# Altium PCB master.PcbDoc (part 4 of 5) (continued)
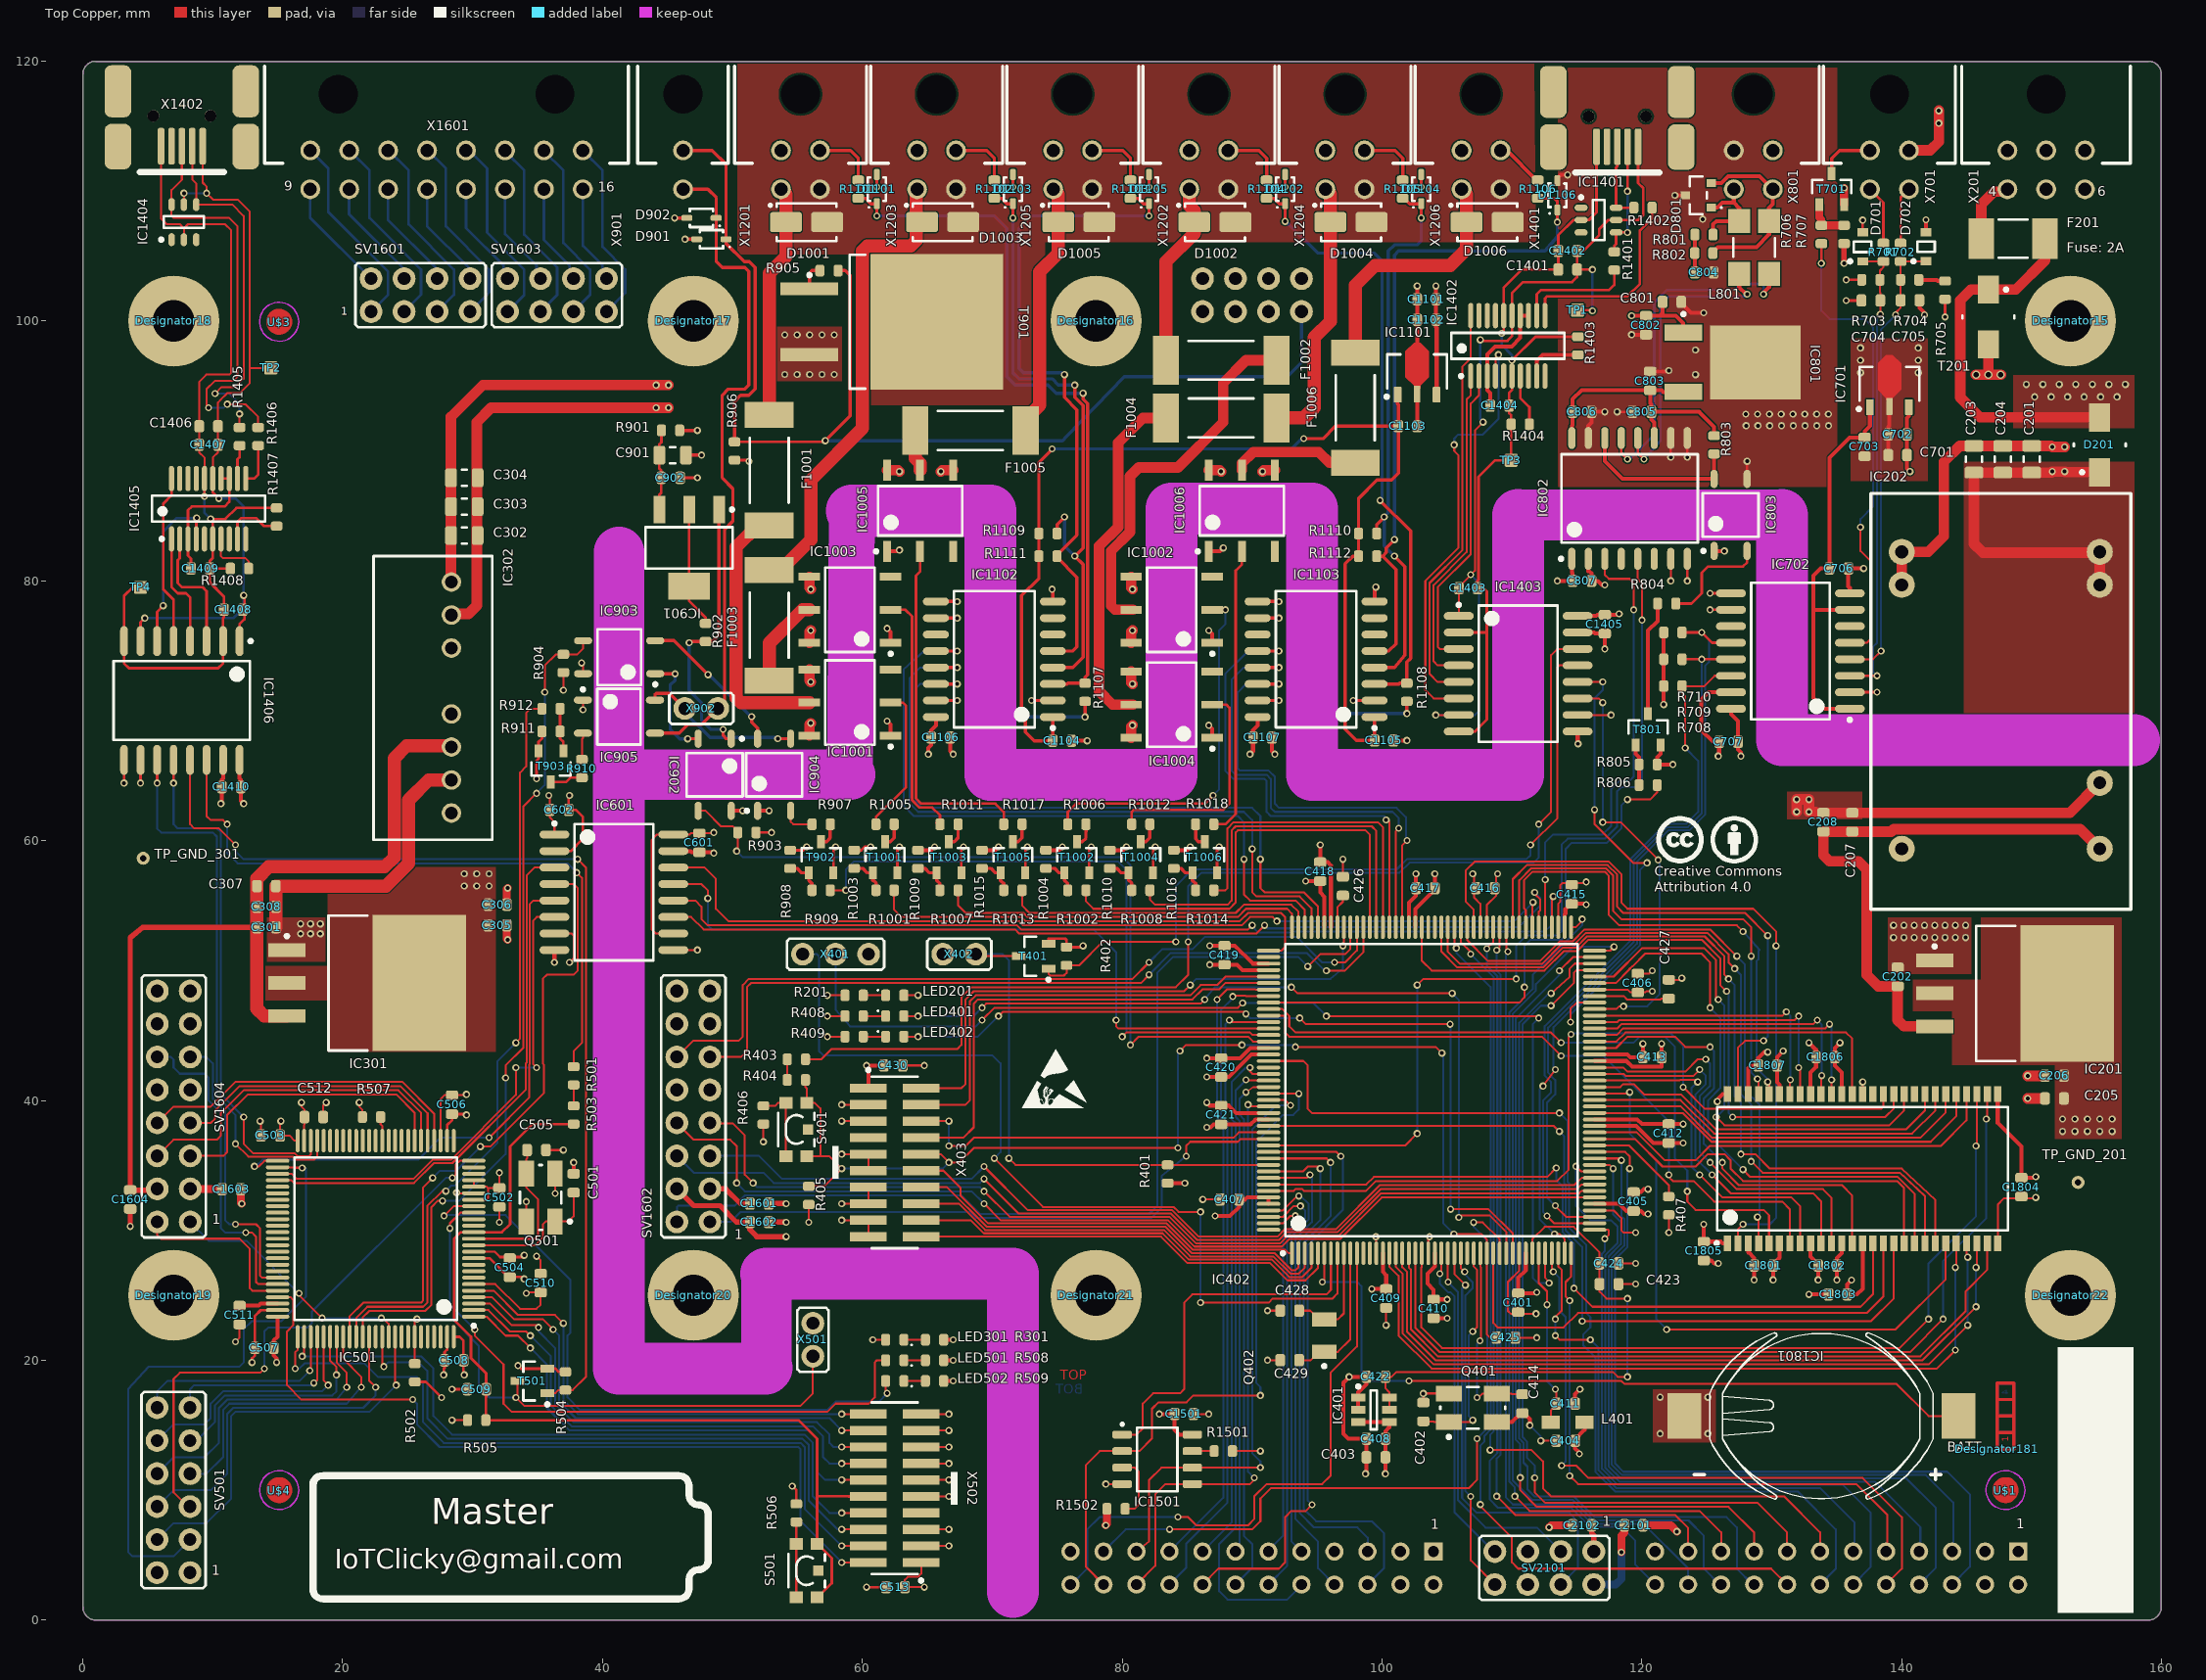
[diagram p0: Top Copper view]
## Nets (pads, with @x,y where several pads share a name; then routed paths per layer and width w, separated by ;. In a path a pad name is that pad's centre, name@x,y a point inside that pad or via, vN(x,y) a via of type N, cw(c..) or ccw(c..) an arc to the next point about the centre after c; other vN are vias at no path point) (continued)
MCU_1_SWCLK: IC501.76 X502.4 | length 57.2
  Top Copper w0.152: v1(16.351,19.353) 16.337,19.367 16.337,20.596 16.542,20.802 IC501.76@16.542,21.804 ; v1(58.42,5.7) X502.4@60.465,5.7
  Bot Copper w0.152: v1(16.351,19.353) 16.669,19.353 17.064,19.748 21.671,19.748 22.701,18.718 25.717,18.718 26.194,18.241 26.194,15.225 27.781,13.638 55.245,13.638 55.562,13.32 55.562,8.558 v1(58.42,5.7)
MCU_1_SWDIO: IC501.72 X502.2 | length 62.6
  Top Copper w0.152: IC501.72@14.992,24.854 15.994,24.854 16.192,24.655 16.192,22.686 15.716,22.21 15.716,18.083 16.828,16.971 v1(25.4,16.971) ; v1(58.42,4.43) X502.2@60.465,4.43
  Bot Copper w0.152: v1(25.4,16.971) 25.717,16.654 25.717,15.066 27.464,13.32 55.086,13.32 55.245,13.161 55.245,7.605 v1(58.42,4.43)
MCU_1_SWO: IC501.89 X502.6 | length 49.6
  Top Copper w0.152: v1@23.019,19.67 v1@23.043,19.646 ; IC501.89@23.043,21.604 v1@23.043,19.646 ; v1(23.177,19.511) v1@23.043,19.646 ; v1(58.42,6.97) X502.6@60.465,6.97
  Bot Copper w0.152: v1(23.177,19.511) 23.495,19.829 25.876,19.829 26.511,19.194 26.511,15.543 28.099,13.955 55.404,13.955 55.88,13.479 55.88,9.193 58.102,6.97 v1(58.42,6.97)
MCU_1_TDI: IC501.77 X502.8 | length 54.7
  Top Copper w0.152: v1@17.042,20.408 16.94,20.305 v1(16.891,20.305) 16.891,20.369 17.042,20.52 IC501.77@17.042,21.604 ; v1(58.42,8.24) X502.8@60.465,8.24
  Bot Copper w0.152: v1(16.891,20.305) 26.035,20.305 26.987,19.353 26.987,15.701 28.416,14.273 55.562,14.273 56.197,13.638 56.197,9.51 57.468,8.24 v1(58.42,8.24)
MCU_TO_FPGA_INTERFACE_MCU_0_CS: IC402.24 SV2101.7 | length 24.8
  Top Copper w0.152: v1(104.457,26.655) 104.573,26.77 IC402.24@104.573,28.034
  Bot Copper w0.152: v1(104.457,26.655) 104.457,25.871 105.093,25.236 105.259,25.236 105.6,24.894 105.6,8.267 108.644,5.224 SV2101.7@108.69,5.27
MCU_TO_FPGA_INTERFACE_MCU_0_MISO: IC402.26 SV2101.4 | length 34.2
  Top Copper w0.152: IC402.26@105.573,28.034 105.573,26.634 v1(106.426,25.781)
  Bot Copper w0.152: v1(106.426,25.781) 106.172,25.527 106.172,9.393 107.31,8.255 114.437,8.255 115.094,7.543 115.094,4.054 SV2101.4@113.77,2.73
MCU_TO_FPGA_INTERFACE_MCU_0_MOSI: IC402.27 SV2101.8 | length 27
  Top Copper w0.152: IC402.27@106.073,28.234 106.073,27.104 v1(106.362,26.814) ; v1(106.839,9.51) 106.839,4.581 SV2101.8@108.69,2.73
  Bot Copper w0.152: v1(106.362,26.814) 106.362,26.629 106.98,26.011 106.98,25.551 106.426,24.997 106.426,9.923 v1(106.839,9.51)
MCU_TO_FPGA_INTERFACE_MCU_0_SCK: IC402.25 SV2101.3 | length 28.7
  Top Copper w0.152: IC402.25@105.072,28.034 105.072,26.04 v1(105.093,26.02)
  Bot Copper w0.152: v1(105.093,26.02) 105.855,25.258 105.855,9.229 107.97,7.114 111.926,7.114 SV2101.3@113.77,5.27
MCU_TO_MCU_INTERFACE_MCU_0_CS: IC402.92 IC601.12 | length 74.5
  Top Copper w0.152: IC601.12@45.406,55.389 IC601.12@45.453,55.389 47.149,55.389 47.625,54.913 47.625,53.96 48.101,53.484 71.914,53.484 72.231,53.166 89.694,53.166 v1(90.011,53.484) ; IC402.92@113.072,53.334 113.072,55.59 v1(113.189,55.706)
  Bot Copper w0.152: v1(90.011,53.484) 90.468,52.912 92.974,52.912 93.069,53.008 112.554,53.008 113.03,53.484 113.03,55.548 v1(113.189,55.706)
MCU_TO_MCU_INTERFACE_MCU_0_MISO: IC402.94 IC601.11 | length 72.5
  Top Copper w0.152: IC601.11@45.406,54.119 IC601.11@45.453,54.119 46.831,54.119 47.784,53.166 71.755,53.166 72.072,52.849 90.329,52.849 v1(90.964,53.484) ; v1(111.76,56.024) 111.76,55.902 112.187,55.475 112.187,54.648 112.072,54.533 IC402.94@112.072,53.334
  Bot Copper w0.152: v1(90.964,53.484) 91.201,53.247 92.949,53.247 93.027,53.325 110.497,53.325 112.187,55.015 112.187,55.596 v1(111.76,56.024)
MCU_TO_MCU_INTERFACE_MCU_0_MOSI: IC402.95 IC601.14 | length 72.3
  Top Copper w0.152: IC601.14@45.406,57.929 IC601.14@45.453,57.929 47.862,57.929 48.736,57.055 48.736,54.754 49.689,53.801 72.072,53.801 72.39,53.484 89.218,53.484 89.852,54.119 91.599,54.119 v1(91.916,53.801) ; IC402.95@111.572,53.334 111.572,55.184 v1(111.633,55.245)
  Bot Copper w0.152: v1(91.916,53.801) 110.189,53.801 v1(111.633,55.245)
MCU_TO_MCU_INTERFACE_MCU_0_SCK: IC402.145 IC601.13 | length 55.2
  Top Copper w0.152: IC601.13@45.406,56.659 IC601.13@45.453,56.659 47.625,56.659 48.101,56.183 v1(48.101,55.548) ; v1(79.534,46.181) 79.534,45.705 79.705,45.534 IC402.145@91.072,45.534
  Bot Copper w0.152: v1(48.101,55.548) 48.101,53.484 48.419,53.166 77.787,53.166 79.534,51.42 v1(79.534,46.181)
MCU_TO_MCU_INTERFACE_MCU_1_CS: IC501.51 IC601.5 | length 42.3
  Top Copper w0.152: v1(13.208,34.925) 13.562,34.925 13.991,35.354 IC501.51@14.992,35.354 ; v1(31.274,37.133) 34.371,40.229 34.371,42.76 34.417,42.806 34.417,55.118 34.688,55.389 IC601.5@36.303,55.389 IC601.5@36.351,55.389
  Bot Copper w0.152: v1(13.208,34.925) 13.335,34.925 13.843,35.433 25.806,35.433 27.505,37.133 v1(31.274,37.133)
MCU_TO_MCU_INTERFACE_MCU_1_MISO: IC501.53 IC601.6 | length 38.3
  Top Copper w0.152: IC501.53@14.792,34.354 16.065,34.354 16.461,33.958 25.449,33.958 26.924,35.433 28.343,35.433 33.337,40.428 v1(33.337,42.53) ; v1(34.925,42.53) 34.671,42.784 34.671,53.848 34.942,54.119 IC601.6@36.303,54.119 IC601.6@36.351,54.119
  Bot Copper w0.152: v1(33.337,42.53) v1(34.925,42.53)
MCU_TO_MCU_INTERFACE_MCU_1_MOSI: IC501.54 IC601.3 | length 41.3
  Top Copper w0.152: IC501.54@14.792,33.854 16.057,33.854 16.271,33.64 25.49,33.64 27.029,35.179 28.448,35.179 34.117,40.848 34.117,42.865 34.163,42.911 34.163,57.326 34.766,57.929 IC601.3@36.303,57.929 IC601.3@36.351,57.929
MCU_TO_MCU_INTERFACE_MCU_1_SCK: IC501.84 IC601.4 | length 49
  Top Copper w0.152: IC501.84@20.543,21.604 20.543,23.385 21.59,24.433 26.035,24.433 26.194,24.591 26.194,33.306 v1(26.924,34.036) ; v1(30.607,36.449) 31.374,36.449 35.479,40.554 35.479,42.76 35.401,42.838 35.401,49.356 35.719,49.674 37.782,49.674 38.1,49.991 38.1,56.341 37.782,56.659 IC601.4@36.351,56.659
  Bot Copper w0.152: v1(26.924,34.036) 27.478,34.59 28.748,34.59 v1(30.607,36.449)
Memory_SUPPLY_CONTROL: IC402.33 JP2201.21 | length 56.5
  Top Copper w0.152: v1(83.661,6.97) 90.011,6.97 90.646,7.605 90.646,9.351 91.44,10.145 106.68,10.145 107.315,10.78 v1(107.315,13.955) ; v1(107.061,30.607) 107.769,30.607 109.072,29.304 IC402.33@109.072,28.034
  Bot Copper w0.152: JP2201.21@78.57,5.27 80.27,6.97 v1(83.661,6.97) ; v1(107.061,30.607) 107.061,30.243 108.108,29.196 108.108,14.748 v1(107.315,13.955)
NetBATT_+: BATT.+ IC402.6 | length 59.4
  Top Copper w0.152: v1(95.409,26.02) 95.573,26.184 IC402.6@95.573,28.034 ; v1(102.076,18.4) 118.437,18.4 118.674,18.163 139.619,18.163 142.081,15.701 BATT.+@144.376,15.701
  Bot Copper w0.152: v1(95.409,26.02) 98.108,26.02 98.425,25.703 98.425,18.718 98.742,18.4 v1(102.076,18.4)
NetC426_1: C426.1 IC402.125 | length 2.6
  Top Copper w0.152: IC402.125@96.572,53.334 96.572,54.875 96.996,55.298 C426.1@96.996,55.775
NetC427_1: C427.1 IC402.81 | length 5.8
  Top Copper w0.152: IC402.81@116.573,48.034 118.599,48.034 118.872,47.761 121.426,47.761 121.502,47.838 C427.1@122.079,47.838 C427.1@122.002,47.761
NetC511_1: C511.1 IC501.73 | length 3
  Top Copper w0.305: C511.1@12.065,24.205 13.542,24.205 13.691,24.354 IC501.73@14.992,24.354
NetC512_1: C512.1 IC501.49 | length 3
  Top Copper w0.152: v1(16.828,39.831) 16.828,39.524 17.055,39.297 C512.1@17.055,38.72 17.055,38.143 17.043,38.131 IC501.49@17.043,36.904
NetC704_1: C704.1 D701.1 IC702.3 R701.1 R703.2 | length 36.1
  Top Copper w0.152: D701.1@137.001,104.598 R701.1@138.608,104.598 138.608,104.146 138.336,103.874 R703.2@138.336,103.173 138.336,102.187 138.361,102.162 C704.1@138.361,101.585 v1(138.361,100.508)
  Top Copper w0.203: IC702.3@135.973,72.693 IC702.3@136.02,72.693 v1(138.112,72.693)
  Bot Copper w0.152: v1(138.112,72.693) 137.795,73.01 137.795,74.915 138.112,75.233 138.112,100.368 v1@138.252,100.508
NetC705_1: C705.1 D702.1 IC702.4 R702.1 R704.2 | length 35.1
  Top Copper w0.152: IC702.4@135.973,73.963 IC702.4@136.02,73.963 137.795,73.963 v1(138.43,74.598) ; v1(139.541,100.474) 139.541,100.636 139.929,101.023 C705.1@139.929,101.6 R704.2@139.929,103.173 R702.1@139.929,104.6 D702.1@141.732,104.6
  Bot Copper w0.152: v1(138.43,74.598) 138.43,99.363 v1(139.541,100.474)
NetC901_1: C901.1 C902.1 IC901.3 R901.1 | length 6.3
  Top Copper w0.203: IC901.3@44.372,85.485 44.372,86.637 44.519,86.783 C902.1@44.519,87.933 44.519,88.509 44.378,88.65 C901.1@44.378,89.679 44.378,90.505 44.544,90.672 R901.1@44.544,91.584
NetD201_2: D201.2 F201.2 T201.1 | length 28.3
  Top Copper w0.813: F201.2@151.04,106.348 151.04,104.671 148.794,102.425 T201.1@146.685,102.425 145.351,102.425 144.526,101.6 144.526,94.107 146.05,92.583 D201.2@155.257,92.583
  other v1: 150.241,94.17 151.511,94.17 152.781,94.17 154.051,94.17 155.321,94.17 156.591,94.17 149.606,95.123 150.876,95.123 152.146,95.123 153.416,95.123 154.686,95.123 155.956,95.123 157.226,95.123
NetD902_1: D902.1 IC905.3 X901.2 X902.1 | length 52.4
  Top Copper w0.152: X901.2@46.2,109.96 X901.2@46.2,110.14
  Top Copper w0.254: IC905.3@44.047,68.277 45.925,68.277 46.609,68.961 47.664,68.961 X902.1@48.88,70.177 49.403,70.7 49.403,83.947 50.038,84.582 50.038,87.107 49.212,87.933 49.212,94.283 49.689,94.759 50.959,94.759 51.276,95.076 51.276,103.808 50.959,104.125 49.212,104.125 48.763,104.575 48.763,109.496 48.119,110.14 X901.2@46.2,110.14
NetD1101_1: D1101.1 IC1102.3 R1101.2 R1107.1 | length 55.8
  Top Copper w0.254: R1101.2@59.69,109.458 60.242,109.458 60.667,109.033 D1101.1@61.119,109.033 v1(61.119,108.094) ; IC1102.3@74.668,72.058 75.769,72.058 75.834,72.123 R1107.1@77.153,72.123 77.153,72.574 77.349,72.771 77.349,93.636 76.994,93.992 v1(76.994,94.441)
  Bot Copper w0.254: v1(61.119,108.094) 70.168,108.094 71.12,107.141 71.12,95.711 71.755,95.076 74.295,95.076 74.93,94.441 v1(76.994,94.441)
NetD1102_1: D1102.1 IC1103.3 R1104.1 R1108.1 | length 47.8
  Top Copper w0.254: R1104.1@91.123,109.458 91.674,109.458 92.099,109.033 D1102.1@92.551,109.033 v1(92.551,107.671) ; IC1103.3@99.433,72.058 101.301,72.058 101.366,72.123 R1108.1@101.917,72.123 101.917,73.743 102.205,74.03 102.205,83.835 v1(99.854,86.186)
  Bot Copper w0.254: v1@92.616,107.671 95.051,105.236 99.377,105.236 100.013,104.601 100.013,86.345 v1(99.854,86.186)
NetD1103_1: D1103.1 IC1102.4 R1102.2 R1109.1 | length 49
  Top Copper w0.254: R1102.2@70.168,109.458 70.719,109.458 71.144,109.033 D1103.1@71.596,109.033 v1(71.596,107.935) ; IC1102.4@74.695,73.328 76.2,73.328 76.994,74.121 76.994,81.265 v1(76.359,81.9) 76.994,82.535 76.994,93.489 76.359,94.124 v1(76.359,95.076) ; R1109.1@74.995,83.646 74.995,84.346 v1(75.565,84.916)
  Bot Copper w0.254: v1(71.596,107.935) 71.596,96.029 72.072,95.553 74.612,95.553 75.089,95.076 v1(76.359,95.076) ; v1(75.565,84.916) 75.565,82.694 v1(76.359,81.9)
NetD1104_1: D1104.1 IC1103.4 R1105.1 R1110.1 | length 43.5
  Top Copper w0.254: IC1103.4@99.46,73.328 100.965,73.328 101.759,74.28 101.759,81.106 v1(100.965,81.9) ; R1110.1@99.601,83.646 99.601,84.346 v1(100.171,84.916) ; R1105.1@101.6,109.458 101.7,109.458 102.125,109.033 D1104.1@103.029,109.033 v1(103.029,107.935)
  Bot Copper w0.254: v1(100.965,81.9) 100.171,82.694 v1(100.171,84.916) 100.489,85.234 100.489,105.395 100.965,105.871 102.711,105.871 103.029,106.189 v1(103.029,107.935)
NetD1105_1: D1105.1 IC1102.5 R1103.2 R1111.1 | length 52
  Top Copper w0.254: IC1102.5@74.695,74.598 76.2,74.598 76.517,74.915 76.517,80.278 74.995,81.8 R1111.1@74.995,81.9 74.995,82 76.517,83.523 76.517,93.171 75.565,94.124 v1(75.565,95.87) ; R1103.2@80.645,109.458 81.197,109.458 81.622,109.033 D1105.1@82.074,109.033 v1(82.074,108.094)
  Bot Copper w0.254: v1(75.565,95.87) 75.406,96.029 72.39,96.029 72.072,96.346 72.072,107.141 73.025,108.094 v1(82.074,108.094)
NetD1106_1: D1106.1 IC1103.5 R1106.1 R1112.1 | length 50.6
  Top Copper w0.254: IC1103.5@99.433,74.598 100.534,74.598 101.092,75.155 101.092,80.861 100.053,81.9 ; R1112.1@99.601,81.9 100.053,81.9 ; v1(100.965,83.17) 100.33,82.535 100.33,82.177 100.053,81.9 ; R1106.1@111.998,109.458 113.254,109.458 113.506,109.205 D1106.1@113.506,108.556 v1(113.506,107.618)
  Bot Copper w0.254: v1(100.965,83.17) 100.965,105.078 101.282,105.395 112.554,105.395 113.506,106.506 v1(113.506,107.618)
NetF201_1: F201.1 X201.4 | length 5
  Top Copper w0.813: F201.1@146.14,106.348 146.14,108.977 147.122,109.96 X201.4@148.13,109.96
NetF1001_1: F1001.1 IC1001.5 | length 20.6
  Top Copper w1.016: F1001.1@52.832,84.269 51.957,84.269 50.292,82.604 50.292,70.993 50.656,70.629 IC1001.5@55.93,70.629
NetF1002_1: F1002.1 IC1002.5 | length 29.1
  Top Copper w0.813: IC1002.5@80.82,77.773 IC1002.5@80.695,77.773 79.453,77.773 79.146,78.08 79.146,82.298 80.607,83.759 80.607,88.053 81.28,88.726 84.296,88.726 87.789,92.219 87.789,95.235 89.535,96.981 F1002.1@91.88,96.981
NetF1003_1: F1003.1 IC1003.5 | length 7
  Top Copper w1.016: F1003.1@52.832,72.331 52.832,75.2 55.405,77.773 IC1003.5@55.93,77.773
NetF1004_1: F1004.1 IC1004.5 | length 27.2
  Top Copper w0.813: IC1004.5@80.82,70.47 IC1004.5@80.695,70.47 79.263,70.47 78.232,71.501 78.232,82.677 79.692,84.138 79.692,90.631 81.597,92.536 F1004.1@83.38,92.536
NetF1005_1: F1005.1 IC1005.5 | length 3.2
  Top Copper w1.016: F1005.1@64.076,91.567 64.076,89.419 64.453,89.043 IC1005.5@64.453,88.518
NetF1006_1: F1006.1 IC1006.5 | length 10.8
  Top Copper w0.813: IC1006.5@89.218,88.518 89.218,89.043 90.091,89.916 95.136,89.916 95.972,89.08 F1006.1@97.949,89.08 97.985,89.044 F1006.1@97.155,89.044
NetIC402_58: IC402.58 R407.2 | length 7.5
  Top Copper w0.152: IC402.58@116.573,36.534 119.026,36.534 122.079,33.481 R407.2@122.079,32.744
NetIC501_37: IC501.37 R507.2 | length 1.9
  Top Copper w0.152: R507.2@22.925,38.72 22.925,38.168 23.042,38.051 IC501.37@23.042,36.904
NetIC702_5: IC702.5 R706.1 | length 36
  Top Copper w0.152: IC702.5@135.973,75.233 IC702.5@136.02,75.233 137.319,75.233 137.636,75.55 137.636,81.503 136.843,82.297 v1(136.843,84.123)
  Top Copper w0.203: v1(133.826,104.443) R706.1@133.826,105.815
  Bot Copper w0.152: v1(133.826,104.443) 133.826,100.791 134.461,100.156 137.16,100.156 137.795,99.521 137.795,85.71 136.843,84.758 v1(136.843,84.123)
NetIC803_2: IC803.2 R804.1 | length 8.6
  Top Copper w0.203: R804.1@122.62,78.249 123.825,78.249 124.619,79.043 124.619,80.63 125.095,81.106 127.794,81.106 128.111,81.424 IC803.2@128.111,82.275
NetIC901_1: IC901.1 IC902.1 R902.1 | length 21.7
  Top Copper w0.254: v1(46.672,75.233) 46.766,75.326 R902.1@47.942,75.326 48.494,75.326 48.972,75.805 IC901.1@48.972,85.435 ; v1(49.29,68.562) 49.29,68.092 49.534,67.848 IC902.1@49.911,67.848
  Bot Copper w0.254: v1(46.672,75.233) 46.672,71.58 47.625,70.627 47.625,69.285 48.348,68.562 v1(49.29,68.562)
NetIC901_2: IC901.2 IC901.4 R902.2 | length 9.3
  Top Copper w0.203: IC901.2@46.672,85.485 IC901.4@46.672,79.585 46.672,78.448 47.942,77.178 R902.2@47.942,76.726
NetIC902_2: IC902.2 IC903.1 | length 8.4
  Top Copper w0.254: IC903.1@44.061,72.853 45.588,72.853 v1(45.598,72.843) ; v1(46.563,67.838) 46.572,67.848 IC902.2@47.371,67.848
  Bot Copper w0.254: v1(45.598,72.843) 45.598,72.367 45.212,71.981 45.212,68.58 45.954,67.838 v1(46.563,67.838)
NetIC903_2: IC903.2 IC904.4 | length 11.7
  Top Copper w0.254: IC903.2@44.061,75.393 45.511,75.393 v1(48.133,72.771) ; v1(51.489,69.548) 51.489,69.103 51.943,68.649 IC904.4@51.943,67.848
  Bot Copper w0.254: v1(48.133,72.771) 48.209,72.771 51.432,69.548 v1(51.489,69.548)
NetIC904_2: IC904.2 R907.2 | length 2.6
  Top Copper w0.152: IC904.2@54.483,62.298 54.483,61.468 54.688,61.263 R907.2@56.133,61.263
NetIC904_3: IC904.3 IC905.4 X902.2 | length 12.6
  Top Copper w0.254: IC905.4@44.047,70.817 44.047,71.25 44.145,71.349 45.168,71.349 X902.2@46.34,70.177 ; v1(53.499,67.848) IC904.3@54.483,67.848
  Bot Copper w0.254: X902.2@46.038,70.177 48.285,67.93 v1@53.499,67.93
NetIC905_2: IC905.2 R910.2 | length 2.1
  Top Copper w0.152: R910.2@38.417,66.249 38.417,67.821 38.497,67.901 IC905.2@38.497,68.277
NetIC1001_2: IC1001.2 R1005.2 | length 11.4
  Top Copper w0.203: R1005.2@61.054,61.263 61.054,61.814 63.373,64.133 63.373,70.362 63.107,70.629 IC1001.2@62.18,70.629
NetIC1002_2: IC1002.2 R1006.2 | length 28.5
  Top Copper w0.203: R1006.2@75.818,61.263 75.818,62.214 76.454,62.85 86.36,62.85 v1(86.995,63.485) ; IC1002.2@86.82,77.773 IC1002.2@86.945,77.773 v1(87.947,77.773)
  Bot Copper w0.152: v1(86.995,63.485) 87.471,63.961 87.471,76.185 87.947,76.661 v1(87.947,77.773)
NetIC1003_2: IC1003.2 R1011.2 | length 19.6
  Top Copper w0.203: IC1003.2@62.055,77.773 IC1003.2@62.18,77.773 63.324,77.773 63.83,77.267 63.83,63.12 64.405,62.545 65.392,62.545 65.975,61.963 R1011.2@65.975,61.263 ; R1011.2@65.722,61.365 R1011.2@65.825,61.263
NetIC1004_2: IC1004.2 R1012.2 | length 17.7
  Top Copper w0.203: R1012.2@80.739,61.263 80.739,62.197 80.916,62.374 87.789,62.374 88.265,62.85 88.265,70.231 88.026,70.47 IC1004.2@86.945,70.47 IC1004.2@86.82,70.47
NetIC1005_2: IC1005.2 R1017.2 | length 27.4
  Top Copper w0.203: IC1005.2@64.453,82.393 IC1005.2@64.453,82.268 64.453,80.709 64.135,80.391 64.135,63.246 64.531,62.85 70.246,62.85 70.896,62.2 R1017.2@70.896,61.263
NetIC1006_2: IC1006.2 R1018.2 | length 22.4
  Top Copper w0.203: R1018.2@87.21,61.263 87.947,61.263 88.741,62.056 88.741,80.789 89.218,81.265 IC1006.2@89.218,82.268 IC1006.2@89.218,82.393
NetIC1402_7: IC1402.7 R1404.1 | length 4
  Top Copper w0.203: IC1402.7@110.649,95.768 110.649,94.075 111.349,93.375 R1404.1@111.349,92.06
NetIC1402_9: IC1402.9 R1403.1 | length 4.5
  Top Copper w0.305: IC1402.9@111.919,95.768 111.919,96.933 112.379,97.393 R1403.1@115.094,97.393
NetIC1402_11: IC1402.11 R1402.1 | length 15
  Top Copper w0.203: IC1402.11@112.554,100.76 112.554,101.744 112.712,101.903 118.904,101.903 119.856,102.855 119.856,106.983 120.794,107.921 R1402.1@120.795,108.729
NetIC1402_12: IC1402.12 R1401.1 | length 8.7
  Top Copper w0.203: IC1402.12@111.919,100.76 111.919,102.061 112.236,102.379 117.475,102.379 117.885,102.789 R1401.1@117.885,103.927
NetIC1405_7: IC1405.7 R1408.1 | length 3.8
  Top Copper w0.152: IC1405.7@10.636,82.884 10.636,81.9 10.795,81.741 12.523,81.741 12.765,81.499 R1408.1@12.765,80.948
NetIC1405_9: IC1405.9 R1407.1 | length 5.1
  Top Copper w0.203: IC1405.9@11.906,82.884 IC1405.9@11.906,83.226 11.906,84.55 12.192,84.836 13.335,84.836 13.955,84.216 R1407.1@14.922,84.216
NetIC1405_11: IC1405.11 R1406.1 | length 3.3
  Top Copper w0.203: IC1405.11@12.541,87.876 13.2,87.876 13.494,88.17 R1406.1@13.494,90.408
NetIC1405_12: IC1405.12 R1405.1 | length 2.3
  Top Copper w0.203: IC1405.12@11.906,88.218 11.906,89.361 12.065,89.52 R1405.1@12.065,90.408
NetIC1501_3: IC1501.3 R1502.1 | length 5.2
  Top Copper w0.152: IC1501.3@79.969,11.733 IC1501.3@80.009,11.733 80.977,11.733 81.28,11.43 81.28,8.875 80.962,8.558 R1502.1@80.234,8.558
NetIC1501_7: IC1501.7 R1501.1 | length 1.6
  Top Copper w0.152: IC1501.7@85.449,13.003 R1501.1@87.089,13.003
NetLED201_1: LED201.1 R201.2 | length 1.5
  Top Copper w0.152: R201.2@60.222,48.086 LED201.1@61.75,48.086
NetLED301_1: LED301.1 R301.1 | length 1.5
  Top Copper w0.152: LED301.1@63.25,21.575 R301.1@64.714,21.575
NetLED401_1: LED401.1 R408.2 | length 1.5
  Top Copper w0.152: R408.2@60.222,46.499 LED401.1@61.75,46.499
NetLED402_1: LED402.1 R409.2 | length 1.5
  Top Copper w0.152: R409.2@60.222,44.911 LED402.1@61.75,44.911
NetLED501_1: LED501.1 R508.2 | length 1.5
  Top Copper w0.152: LED501.1@63.25,19.988 R508.2@64.714,19.988
NetLED502_1: LED502.1 R509.2 | length 1.5
  Top Copper w0.152: LED502.1@63.25,18.4 R509.2@64.714,18.4
NetR403_1: R403.1 R404.2 | length 1.6
  Top Copper w0.152: R404.2@54.228,41.578 54.228,42.129 R403.1@54.227,43.165
NetR406_2: R406.2 S401.1 S401.2 | length 5.9
  Top Copper w0.152: R406.2@52.387,39.579 53.287,39.579 53.526,39.818 S401.1@54.127,39.818 S401.2@54.127,35.717
NetR501_1: R501.1 R503.2 | length 1.3
  Top Copper w0.152: R503.2@37.782,39.729 R501.1@37.782,41.045
NetR506_2: R506.2 S501.1 S501.2 | length 5.8
  Top Copper w0.203: S501.2@54.921,1.745 S501.1@54.921,5.845 54.921,6.397 54.927,6.403 R506.2@54.927,7.54
NetR704_1: R704.1 R705.2 | length 1.9
  Top Copper w0.305: R704.1@141.511,103.173 142.706,103.173 142.8,103.079 R705.2@143.351,103.079
NetR706_2: R706.2 R707.1 T701.G | length 3.4
  Top Copper w0.61: T701.G@133.67,108.958 133.67,107.973 133.826,107.817 R706.2@133.826,107.365 134.378,107.365 R707.1@135.572,107.365
NetR804_2: R804.2 T801.D | length 8.8
  Top Copper w0.305: T801.D@120.491,69.765 120.491,76.168 121.22,76.897 R804.2@121.22,78.249
NetR805_1: R805.1 R806.1 T801.G | length 3.2
  Top Copper w0.305: T801.G@119.541,67.365 119.541,66.668 119.791,66.418 R805.1@119.791,65.866 R806.1@119.791,64.279
NetR905_2: R905.2 T901.1 | length 2.1
  Top Copper w0.254: T901.1@55.93,102.489 55.93,103.682 56.134,103.886 R905.2@56.737,103.886
NetR907_1: R907.1 T902.D | length 1.9
  Top Copper w0.254: T902.D@56.832,59.923 57.256,59.923 57.533,60.2 R907.1@57.533,61.263
NetR908_1: R908.1 R909.1 T902.G | length 3.1
  Top Copper w0.254: R908.1@54.451,57.864 55.003,57.864 55.344,57.523 T902.G@55.882,57.523 55.882,56.921 56.069,56.734 56.132,56.734 R909.1@56.132,56.183
NetR910_1: R910.1 T903.D | length 2.5
  Top Copper w0.203: T903.D@36.036,64.508 37.203,64.508 37.544,64.849 R910.1@38.417,64.849
NetR911_1: R911.1 R912.1 T903.G | length 3.3
  Top Copper w0.203: R912.1@36.736,70.153 R911.1@36.736,68.406 36.736,67.855 36.986,67.605 T903.G@36.986,66.908
NetR1001_1: R1001.1 R1003.2 T1001.G | length 3.1
  Top Copper w0.254: R1003.2@59.372,57.864 60.061,57.864 60.402,57.523 T1001.G@60.804,57.523 60.804,56.921 60.867,56.921 61.054,56.734 R1001.1@61.054,56.183
NetR1002_1: R1002.1 R1004.2 T1002.G | length 3.1
  Top Copper w0.254: R1004.2@74.136,57.864 74.825,57.864 75.166,57.523 T1002.G@75.567,57.523 75.567,56.921 75.754,56.734 75.817,56.734 R1002.1@75.817,56.183
NetR1005_1: R1005.1 T1001.D | length 1.9
  Top Copper w0.254: T1001.D@61.754,59.923 62.155,59.923 62.155,59.93 62.454,60.228 R1005.1@62.454,61.263
NetR1006_1: R1006.1 T1002.D | length 1.9
  Top Copper w0.254: T1002.D@76.517,59.923 76.941,59.923 77.216,60.198 77.216,60.709 77.218,60.711 R1006.1@77.218,61.263
NetR1007_1: R1007.1 R1009.2 T1003.G | length 3.1
  Top Copper w0.254: R1009.2@64.294,57.864 64.845,57.864 65.187,57.523 T1003.G@65.725,57.523 65.725,56.921 65.912,56.734 65.975,56.734 R1007.1@65.975,56.183
NetR1008_1: R1008.1 R1010.2 T1004.G | length 3.1
  Top Copper w0.254: R1010.2@79.057,57.864 79.609,57.864 79.95,57.523 T1004.G@80.489,57.523 80.489,56.921 80.552,56.921 80.739,56.734 R1008.1@80.739,56.183
NetR1011_1: R1011.1 T1003.D | length 1.9
  Top Copper w0.254: T1003.D@66.675,59.923 67.077,59.923 67.375,60.221 R1011.1@67.375,61.263
NetR1012_1: R1012.1 T1004.D | length 1.9
  Top Copper w0.254: T1004.D@81.439,59.923 81.84,59.923 82.139,60.221 R1012.1@82.139,61.263
NetR1013_1: R1013.1 R1015.2 T1005.G | length 3.1
  Top Copper w0.254: R1015.2@69.215,57.864 69.903,57.864 70.245,57.523 T1005.G@70.646,57.523 70.646,56.921 70.833,56.734 70.896,56.734 R1013.1@70.896,56.183
NetR1014_1: R1014.1 R1016.2 T1006.G | length 3.1
  Top Copper w0.254: R1016.2@83.979,57.864 84.53,57.864 84.872,57.523 T1006.G@85.41,57.523 85.41,56.921 85.597,56.734 85.66,56.734 R1014.1@85.66,56.183
NetR1017_1: R1017.1 T1005.D | length 1.9
  Top Copper w0.254: T1005.D@71.596,59.923 71.998,59.923 72.296,60.221 R1017.1@72.296,61.263
NetR1018_1: R1018.1 T1006.D | length 1.9
  Top Copper w0.254: R1018.1@85.66,61.263 85.66,60.136 85.873,59.923 T1006.D@86.36,59.923
NetSV1601_1: SV1601.1 X1601.1 | length 15.6
  Bot Copper w0.152: X1601.1@17.5,113.06 17.545,113.015 X1601.1@17.621,113.015
  Bot Copper w0.203: X1601.1@17.5,113.14 17.5,113.136 17.621,113.015 18.891,111.745 18.891,108.411 23.495,103.808 23.495,102.035 SV1601.1@22.19,100.73
NetSV1601_2: SV1601.2 X1601.9 | length 8.8
  Bot Copper w0.203: X1601.9@17.5,110.14 17.5,107.96 SV1601.2@22.19,103.27
NetSV1601_3: SV1601.3 X1601.2 | length 15.4
  Bot Copper w0.152: X1601.2@20.5,113.06 20.545,113.015 X1601.2@20.637,113.015
  Bot Copper w0.203: X1601.2@20.5,113.14 20.513,113.14 20.637,113.015 22.066,111.586 22.066,107.935 26.035,103.966 26.035,102.035 SV1601.3@24.73,100.73
NetSV1601_4: SV1601.4 X1601.10 | length 8.6
  Bot Copper w0.203: X1601.10@20.5,110.14 20.5,108.231 24.606,104.125 24.606,103.464 SV1601.4@24.73,103.27
NetSV1601_5: SV1601.5 X1601.3 | length 15.2
  Bot Copper w0.152: X1601.3@23.5,113.06 23.5,113.111 X1601.3@23.529,113.14
  Bot Copper w0.203: X1601.3@23.5,113.14 23.529,113.14 25.082,111.586 25.082,107.459 28.575,103.966 28.575,102.035 SV1601.5@27.27,100.73
NetSV1601_6: SV1601.6 X1601.11 | length 8.4
  Bot Copper w0.203: X1601.11@23.5,110.14 23.5,107.771 27.146,104.125 27.146,103.394 SV1601.6@27.27,103.27
NetSV1601_7: SV1601.7 X1601.4 | length 15.1
  Bot Copper w0.152: X1601.4@26.5,113.06 26.5,113.095 X1601.4@26.545,113.14
  Bot Copper w0.203: X1601.4@26.5,113.14 26.545,113.14 27.94,111.745 27.94,107.3 31.274,103.966 31.274,102.22 31.115,102.061 31.115,102.035 SV1601.7@29.81,100.73
NetSV1601_8: SV1601.8 X1601.12 | length 8.2
  Bot Copper w0.203: X1601.12@26.5,110.14 26.5,107.311 29.686,104.125 29.686,103.394 SV1601.8@29.81,103.27
NetSV1603_1: SV1603.1 X1601.5 | length 15
  Bot Copper w0.152: X1601.5@29.5,113.06 X1601.5@29.5,113.14
  Bot Copper w0.203: X1601.5@29.5,113.14 29.72,113.14 31.115,111.745 31.115,106.824 33.972,103.966 33.972,102.012 SV1603.1@32.69,100.73
NetSV1603_2: SV1603.2 X1601.13 | length 8.2
  Bot Copper w0.203: X1601.13@29.5,110.14 29.5,107.169 32.385,104.284 32.385,103.575 SV1603.2@32.69,103.27
NetSV1603_3: SV1603.3 X1601.6 | length 14.7
  Bot Copper w0.152: X1601.6@32.5,113.06 32.544,113.016 X1601.6@32.544,113.015
  Bot Copper w0.203: X1601.6@32.5,113.14 32.5,113.06 32.5,113.059 32.544,113.015 33.972,111.586 33.972,106.665 36.512,104.125 36.512,102.012 SV1603.3@35.23,100.73
NetSV1603_4: SV1603.4 X1601.14 | length 8
  Bot Copper w0.203: X1601.14@32.5,110.14 32.5,106.709 34.925,104.284 34.925,103.575 SV1603.4@35.23,103.27
NetSV1603_5: SV1603.5 X1601.7 | length 14.4
  Bot Copper w0.152: X1601.7@35.5,113.06 X1601.7@35.5,113.075
  Bot Copper w0.203: X1601.7@35.5,113.14 35.5,113.075 36.989,111.586 36.989,106.03 39.052,103.966 39.052,102.012 SV1603.5@37.77,100.73
NetSV1603_6: SV1603.6 X1601.15 | length 7.8
  Bot Copper w0.203: X1601.15@35.5,110.14 35.5,106.249 37.465,104.284 37.465,103.575 SV1603.6@37.77,103.27
NetSV1603_7: SV1603.7 X1601.8 | length 14.4
  Bot Copper w0.152: X1601.8@38.5,113.06 X1601.8@38.5,113.091
  Bot Copper w0.203: X1601.8@38.5,113.14 38.5,113.091 40.005,111.586 40.005,105.713 41.751,103.966 41.751,102.171 SV1603.7@40.31,100.73
NetSV1603_8: SV1603.8 X1601.16 | length 7.6
  Bot Copper w0.203: X1601.16@38.5,110.14 38.5,105.789 40.005,104.284 40.005,103.575 SV1603.8@40.31,103.27